# Altium PCB PCB_with_drawing_try2.PcbDoc (part 1 of 5) (continued)
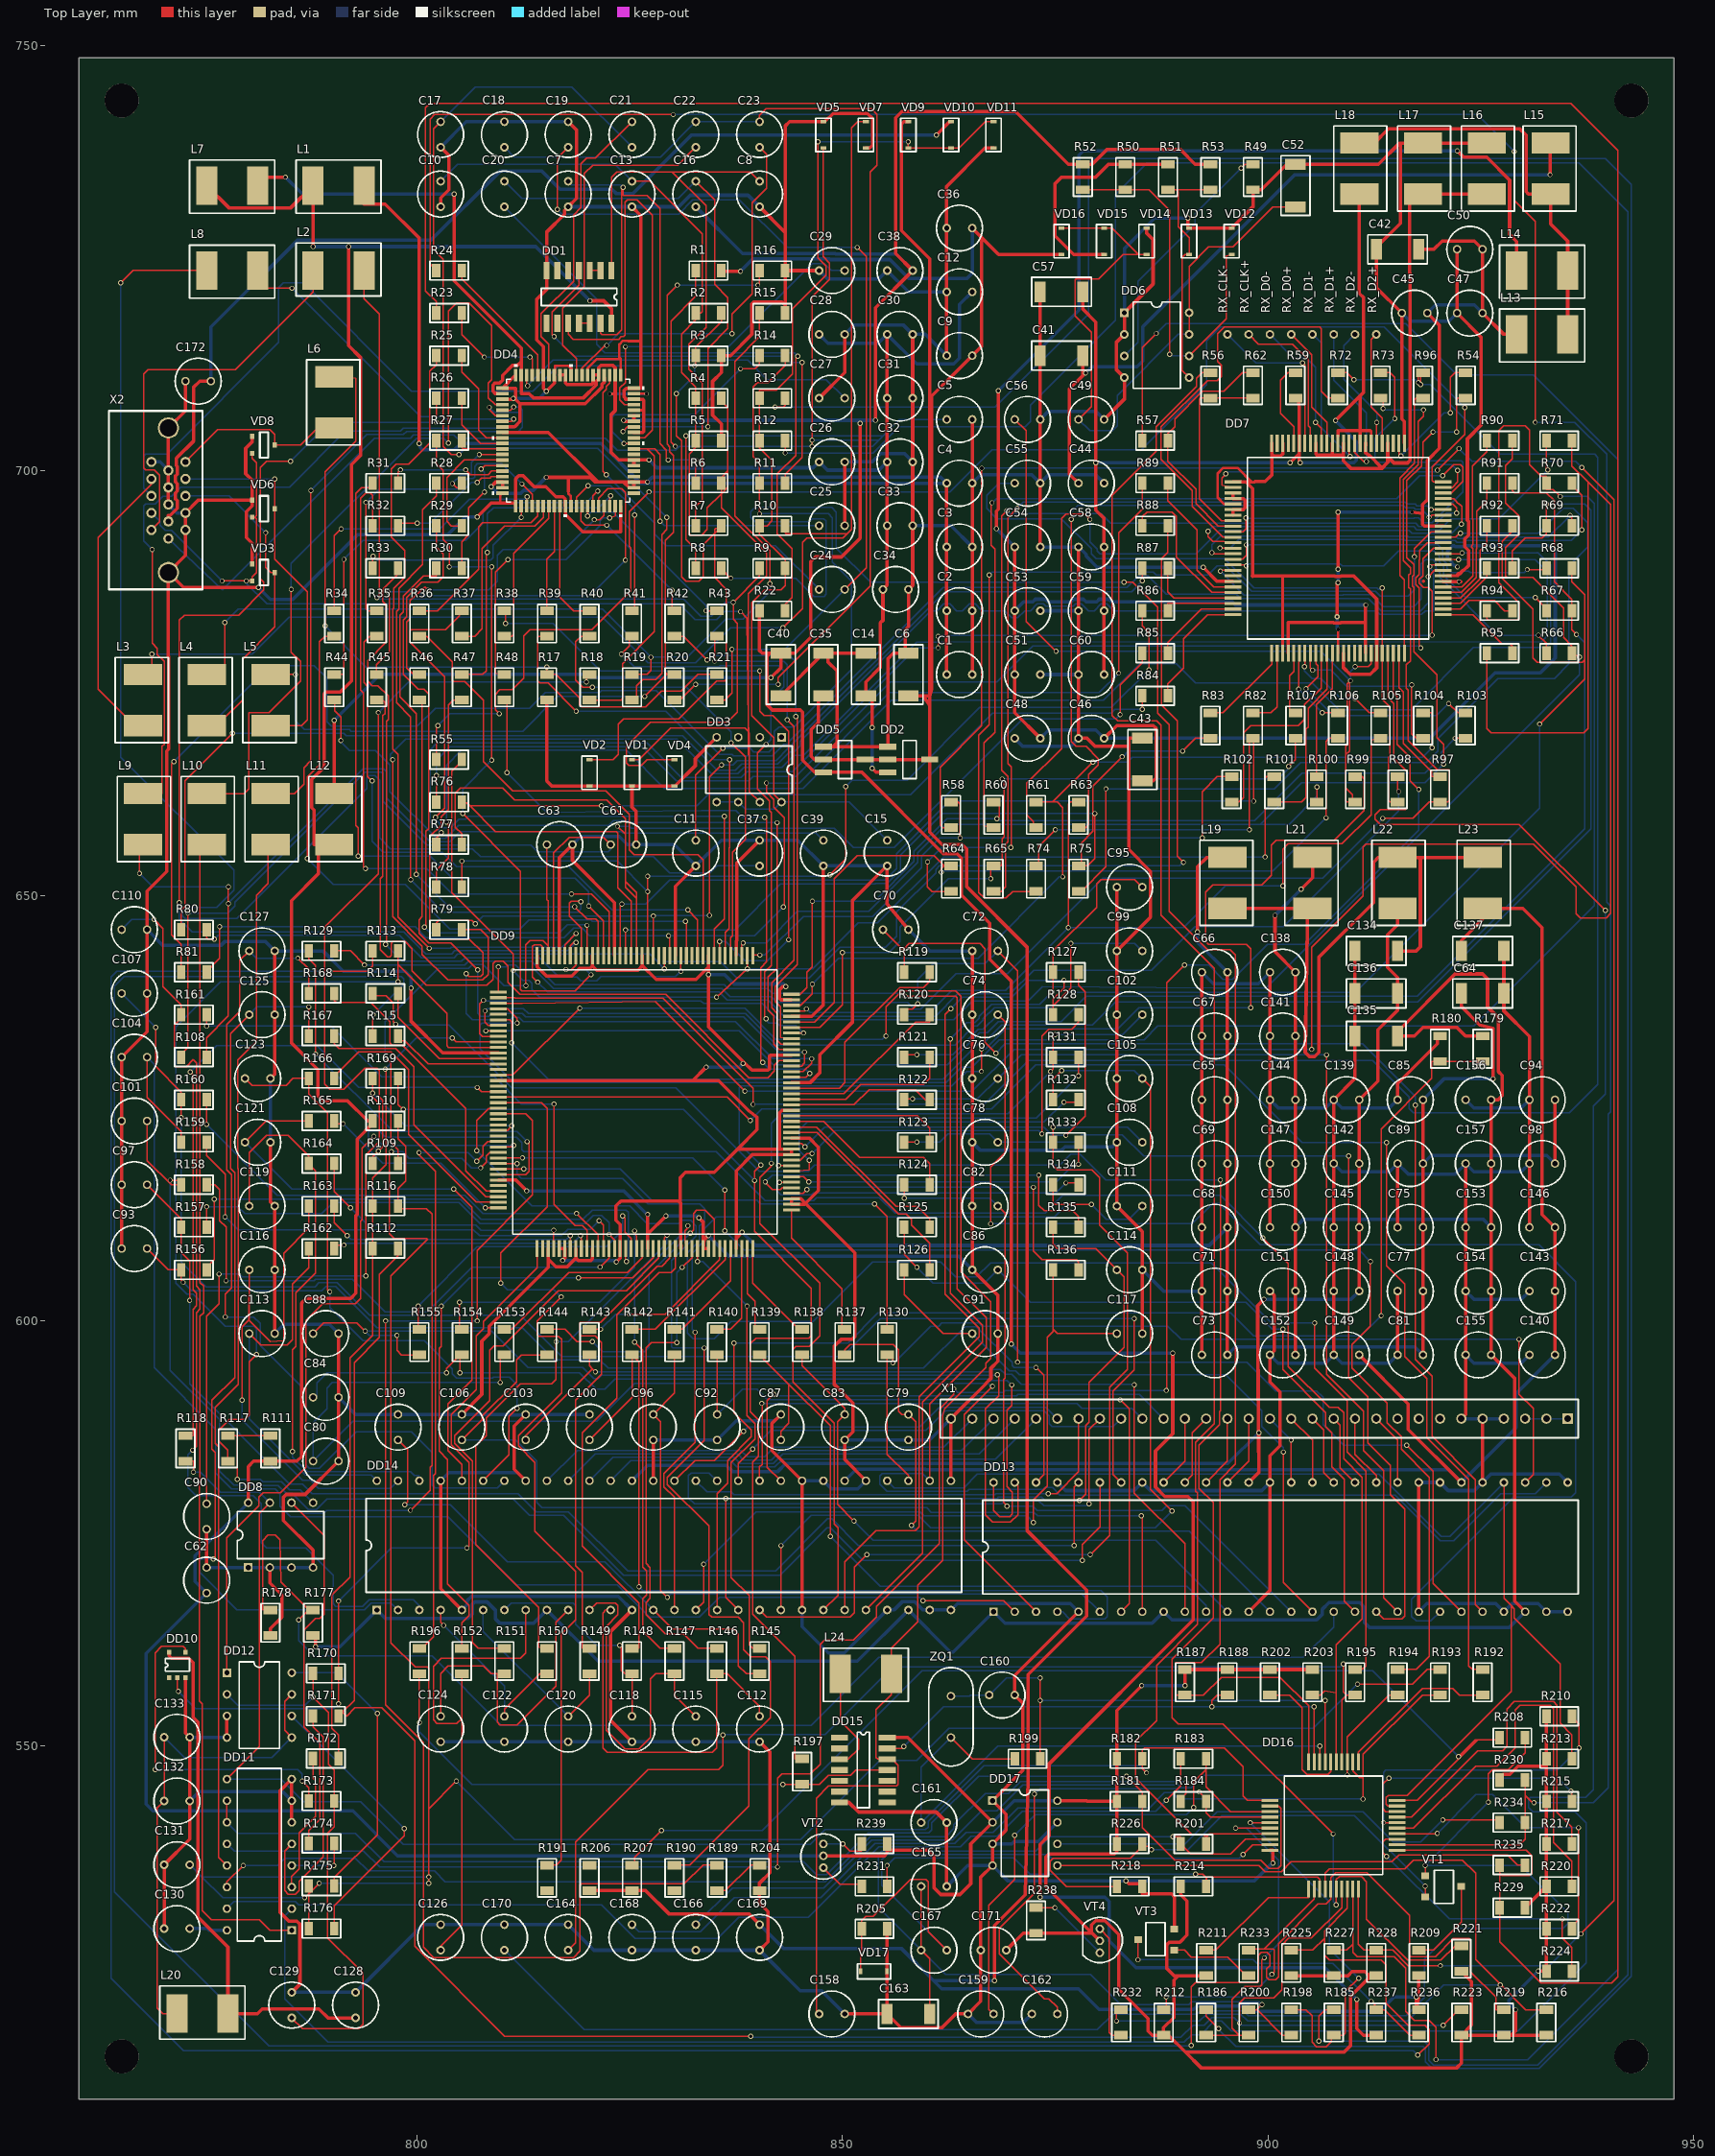
[diagram p0: Top Layer view]
## Components (designator, comment, footprint, x,y, rotation, side; value= is the part's Value field where it differs from the comment) (continued)
DD7 "SIL151" SIL151 895.9,698.65 r180 top
DD8 "24LC08" 24Cxx 780.13,571 r90 top
DD9 "SD1210" SD1210 809.55,638.65 r0 top
DD10 "F14-SINGLE" 74AHC1G14(SOT25) 770.85,558.04 r90 top
DD11 "74LV4053" 74LV4053(SOT38-4) 785.25,528.34 r180 top
DD12 "AV9173-01" AV9173-01(DIP8) 777.63,558.62 r0 top
DD13 "SN75LVDS83" SN75LVDS83_v2 867.75,565.8 r90 top
DD14 "SN75LVDS83" SN75LVDS83_v2 795.25,566 r90 top
DD15 "74LCX125" 74LCX125(page12) 849.65,551 r0 top
DD16 "SM0230" SM0230 910.65,547.4 r90 top
DD17 "24LC16" 24Cxx 867.63,543.58 r0 top
L1 "Inductor" inductor 790.75,733.5 r180 top
L2 "Inductor" inductor 790.75,723.5 r0 top
L3 "Inductor" inductor 767.75,673 r90 top
L4 "Inductor" inductor 775.25,673 r90 top
L5 "Inductor" inductor 782.75,673 r90 top
L6 "Inductor" inductor 790.25,708 r90 top
L7 "Inductor" inductor 778.25,733.5 r180 top
L8 "Inductor" inductor 778.25,723.5 r180 top
L9 "Inductor" inductor 767.75,659 r270 top
L10 "Inductor" inductor 775.25,659 r270 top
L11 "Inductor" inductor 782.75,659 r270 top
L12 "Inductor" inductor 790.25,659 r270 top
L13 "Inductor" inductor 932.25,716 r180 top
L14 "Inductor" inductor 932.25,723.5 r180 top
L15 "Inductor" inductor 933.25,735.5 r90 top
L16 "Inductor" inductor 925.75,735.5 r270 top
L17 "Inductor" inductor 918.25,735.5 r270 top
L18 "Inductor" inductor 910.75,735.5 r270 top
L19 "Inductor" inductor 895.25,651.5 r90 top
L20 "Inductor" inductor 774.75,518.54 r0 top
L21 "Inductor" inductor 905.25,651.5 r90 top
L22 "Inductor" inductor 915.25,651.5 r270 top
L23 "Inductor" inductor 925.25,651.5 r270 top
L24 "Inductor" inductor 852.75,558.5 r180 top
R1 "Resistor" R_1206 834.25,723.5 r0 top
R2 "Resistor" R_1206 834.25,718.5 r180 top
R3 "Resistor" R_1206 834.25,713.5 r180 top
R4 "Resistor" R_1206 834.25,708.5 r180 top
R5 "Resistor" R_1206 834.25,703.5 r180 top
R6 "Resistor" R_1206 834.25,698.5 r180 top
R7 "Resistor" R_1206 834.25,693.5 r180 top
R8 "Resistor" R_1206 834.25,688.5 r0 top
R9 "Resistor" R_1206 841.75,688.5 r0 top
R10 "Resistor" R_1206 841.75,693.5 r180 top
R11 "Resistor" R_1206 841.75,698.5 r180 top
R12 "Resistor" R_1206 841.75,703.5 r180 top
R13 "Resistor" R_1206 841.75,708.5 r180 top
R14 "Resistor" R_1206 841.75,713.5 r180 top
R15 "Resistor" R_1206 841.75,718.5 r180 top
R16 "Resistor" R_1206 841.75,723.5 r180 top
R17 "Resistor" R_1206 815.25,674.5 r90 top
R18 "Resistor" R_1206 820.25,674.5 r270 top
R19 "Resistor" R_1206 825.25,674.5 r270 top
R20 "Resistor" R_1206 830.25,674.5 r270 top
R21 "Resistor" R_1206 835.25,674.5 r270 top
R22 "Resistor" R_1206 841.75,683.5 r0 top
R23 "Resistor" R_1206 803.75,718.5 r0 top
R24 "Resistor" R_1206 803.75,723.5 r0 top
R25 "Resistor" R_1206 803.75,713.5 r180 top
R26 "Resistor" R_1206 803.75,708.5 r180 top
R27 "Resistor" R_1206 803.75,703.5 r180 top
R28 "Resistor" R_1206 803.75,698.5 r180 top
R29 "Resistor" R_1206 803.75,693.5 r180 top
R30 "Resistor" R_1206 803.75,688.5 r180 top
R31 "Resistor" R_1206 796.25,698.5 r180 top
R32 "Resistor" R_1206 796.25,693.5 r180 top
R33 "Resistor" R_1206 796.25,688.5 r0 top
R34 "Resistor" R_1206 790.25,682 r270 top
R35 "Resistor" R_1206 795.25,682 r270 top
R36 "Resistor" R_1206 800.25,682 r270 top
R37 "Resistor" R_1206 805.25,682 r90 top
R38 "Resistor" R_1206 810.25,682 r90 top
R39 "Resistor" R_1206 815.25,682 r270 top
R40 "Resistor" R_1206 820.25,682 r270 top
R41 "Resistor" R_1206 825.25,682 r270 top
R42 "Resistor" R_1206 830.25,682 r270 top
R43 "Resistor" R_1206 835.25,682 r270 top
R44 "Resistor" R_1206 790.25,674.5 r270 top
R45 "Resistor" R_1206 795.25,674.5 r270 top
R46 "Resistor" R_1206 800.25,674.5 r270 top
R47 "Resistor" R_1206 805.25,674.5 r270 top
R48 "Resistor" R_1206 810.25,674.5 r270 top
R49 "Resistor" R_1206 898.25,734.5 r90 top
R50 "Resistor" R_1206 883.25,734.5 r90 top
R51 "Resistor" R_1206 888.25,734.5 r90 top
R52 "Resistor" R_1206 878.25,734.5 r270 top
R53 "Resistor" R_1206 893.25,734.5 r270 top
R54 "Resistor" R_1206 923.25,710 r270 top
R55 "Resistor" R_1206 803.75,666 r0 top
R56 "Resistor" R_1206 893.25,710 r90 top
R57 "Resistor" R_1206 886.75,703.5 r180 top
R58 "Resistor" R_1206 862.75,659.5 r90 top
R59 "Resistor" R_1206 903.25,710 r90 top
R60 "Resistor" R_1206 867.75,659.5 r90 top
R61 "Resistor" R_1206 872.75,659.5 r90 top
R62 "Resistor" R_1206 898.25,710 r270 top
R63 "Resistor" R_1206 877.75,659.5 r90 top
R64 "Resistor" R_1206 862.75,652 r90 top
R65 "Resistor" R_1206 867.75,652 r90 top
R66 "Resistor" R_1206 934.25,678.5 r0 top
R67 "Resistor" R_1206 934.25,683.5 r0 top
R68 "Resistor" R_1206 934.25,688.5 r0 top
R69 "Resistor" R_1206 934.25,693.5 r180 top
R70 "Resistor" R_1206 934.25,698.5 r180 top
R71 "Resistor" R_1206 934.25,703.5 r0 top
R72 "Resistor" R_1206 908.25,710 r90 top
R73 "Resistor" R_1206 913.25,710 r270 top
R74 "Resistor" R_1206 872.75,652 r90 top
R75 "Resistor" R_1206 877.75,652 r90 top
R76 "Resistor" R_1206 803.75,661 r0 top
R77 "Resistor" R_1206 803.75,656 r0 top
R78 "Resistor" R_1206 803.75,651 r0 top
R79 "Resistor" R_1206 803.75,646 r180 top
R80 "Resistor" R_1206 773.75,646 r0 top
R81 "Resistor" R_1206 773.75,641 r0 top
R82 "Resistor" R_1206 898.25,670 r270 top
R83 "Resistor" R_1206 893.25,670 r270 top
R84 "Resistor" R_1206 886.75,673.5 r180 top
R85 "Resistor" R_1206 886.75,678.5 r180 top
R86 "Resistor" R_1206 886.75,683.5 r180 top
R87 "Resistor" R_1206 886.75,688.5 r180 top
R88 "Resistor" R_1206 886.75,693.5 r0 top
R89 "Resistor" R_1206 886.75,698.5 r180 top
R90 "Resistor" R_1206 927.25,703.5 r0 top
R91 "Resistor" R_1206 927.25,698.5 r0 top
R92 "Resistor" R_1206 927.25,693.5 r0 top
R93 "Resistor" R_1206 927.25,688.5 r0 top
R94 "Resistor" R_1206 927.25,683.5 r180 top
R95 "Resistor" R_1206 927.25,678.5 r180 top
R96 "Resistor" R_1206 918.25,710 r90 top
R97 "Resistor" R_1206 920.25,662.5 r270 top
R98 "Resistor" R_1206 915.25,662.5 r90 top
R99 "Resistor" R_1206 910.25,662.5 r90 top
R100 "Resistor" R_1206 905.75,662.5 r270 top
R101 "Resistor" R_1206 900.75,662.5 r90 top
R102 "Resistor" R_1206 895.75,662.5 r90 top
R103 "Resistor" R_1206 923.25,670 r270 top
R104 "Resistor" R_1206 918.25,670 r90 top
R105 "Resistor" R_1206 913.25,670 r270 top
R106 "Resistor" R_1206 908.25,670 r270 top
R107 "Resistor" R_1206 903.25,670 r270 top
R108 "Resistor" R_1206 773.75,631 r0 top
R109 "Resistor" R_1206 796.25,618.5 r180 top
R110 "Resistor" R_1206 796.25,623.5 r0 top
R111 "Resistor" R_1206 782.75,585 r90 top
R112 "Resistor" R_1206 796.25,608.5 r0 top
R113 "Resistor" R_1206 796.25,643.5 r180 top
R114 "Resistor" R_1206 796.25,638.5 r180 top
R115 "Resistor" R_1206 796.25,633.5 r180 top
R116 "Resistor" R_1206 796.25,613.5 r0 top
R117 "Resistor" R_1206 777.75,585 r90 top
R118 "Resistor" R_1206 772.75,585 r270 top
R119 "Resistor" R_1206 858.75,641 r0 top
R120 "Resistor" R_1206 858.75,636 r0 top
R121 "Resistor" R_1206 858.75,631 r0 top
R122 "Resistor" R_1206 858.75,626 r0 top
R123 "Resistor" R_1206 858.75,621 r0 top
R124 "Resistor" R_1206 858.75,616 r0 top
R125 "Resistor" R_1206 858.75,611 r0 top
R126 "Resistor" R_1206 858.75,606 r0 top
R127 "Resistor" R_1206 876.25,641 r0 top
R128 "Resistor" R_1206 876.25,636 r0 top
R129 "Resistor" R_1206 788.75,643.5 r180 top
R130 "Resistor" R_1206 855.25,597.5 r90 top
R131 "Resistor" R_1206 876.25,631 r0 top
R132 "Resistor" R_1206 876.25,626 r0 top
R133 "Resistor" R_1206 876.25,621 r0 top
R134 "Resistor" R_1206 876.25,616 r0 top
R135 "Resistor" R_1206 876.25,611 r0 top
R136 "Resistor" R_1206 876.25,606 r0 top
R137 "Resistor" R_1206 850.25,597.5 r90 top
R138 "Resistor" R_1206 845.25,597.5 r90 top
R139 "Resistor" R_1206 840.25,597.5 r90 top
R140 "Resistor" R_1206 835.25,597.5 r90 top
R141 "Resistor" R_1206 830.25,597.5 r90 top
R142 "Resistor" R_1206 825.25,597.5 r90 top
R143 "Resistor" R_1206 820.25,597.5 r90 top
R144 "Resistor" R_1206 815.25,597.5 r90 top
R145 "Resistor" R_1206 840.25,560 r90 top
R146 "Resistor" R_1206 835.25,560 r90 top
R147 "Resistor" R_1206 830.25,560 r90 top
R148 "Resistor" R_1206 825.25,560 r90 top
R149 "Resistor" R_1206 820.25,560 r90 top
R150 "Resistor" R_1206 815.25,560 r90 top
R151 "Resistor" R_1206 810.25,560 r90 top
R152 "Resistor" R_1206 805.25,560 r90 top
R153 "Resistor" R_1206 810.25,597.5 r90 top
R154 "Resistor" R_1206 805.25,597.5 r90 top
R155 "Resistor" R_1206 800.25,597.5 r90 top
R156 "Resistor" R_1206 773.75,606 r0 top
R157 "Resistor" R_1206 773.75,611 r0 top
R158 "Resistor" R_1206 773.75,616 r0 top
R159 "Resistor" R_1206 773.75,621 r0 top
R160 "Resistor" R_1206 773.75,626 r0 top
R161 "Resistor" R_1206 773.75,636 r0 top
R162 "Resistor" R_1206 788.75,608.5 r0 top
R163 "Resistor" R_1206 788.75,613.5 r0 top
R164 "Resistor" R_1206 788.75,618.5 r0 top
R165 "Resistor" R_1206 788.75,623.5 r0 top
R166 "Resistor" R_1206 788.75,628.5 r0 top
R167 "Resistor" R_1206 788.75,633.5 r0 top
R168 "Resistor" R_1206 788.75,638.5 r0 top
R169 "Resistor" R_1206 796.25,628.5 r180 top
R170 "Resistor" R_1206 789.25,558.54 r180 top
R171 "Resistor" R_1206 789.25,553.54 r180 top
R172 "Resistor" R_1206 789.25,548.54 r180 top
R173 "Resistor" R_1206 788.75,543.54 r0 top
R174 "Resistor" R_1206 788.75,538.54 r180 top
R175 "Resistor" R_1206 788.75,533.54 r180 top
R176 "Resistor" R_1206 788.75,528.54 r180 top
R177 "Resistor" R_1206 787.75,564.5 r270 top
R178 "Resistor" R_1206 782.75,564.5 r90 top
R179 "Resistor" R_1206 925.25,632 r90 top
R180 "Resistor" R_1206 920.25,632 r270 top
R181 "Resistor" R_1206 883.75,543.5 r180 top
R182 "Resistor" R_1206 883.75,548.5 r180 top
R183 "Resistor" R_1206 891.25,548.5 r0 top
R184 "Resistor" R_1206 891.25,543.5 r0 top
R185 "Resistor" R_1206 907.75,517.5 r270 top
R186 "Resistor" R_1206 892.75,517.5 r270 top
R187 "Resistor" R_1206 890.25,557.5 r90 top
R188 "Resistor" R_1206 895.25,557.5 r90 top
R189 "Resistor" R_1206 835.25,534.5 r90 top
R190 "Resistor" R_1206 830.25,534.5 r90 top
R191 "Resistor" R_1206 815.25,534.5 r90 top
R192 "Resistor" R_1206 925.25,557.5 r90 top
R193 "Resistor" R_1206 920.25,557.5 r90 top
R194 "Resistor" R_1206 915.25,557.5 r90 top
R195 "Resistor" R_1206 910.25,557.5 r90 top
R196 "Resistor" R_1206 800.25,560 r90 top
R197 "Resistor" R_1206 845.25,547 r90 top
R198 "Resistor" R_1206 902.75,517.5 r90 top
R199 "Resistor" R_1206 871.75,548.5 r0 top
R200 "Resistor" R_1206 897.75,517.5 r270 top
R201 "Resistor" R_1206 891.25,538.5 r0 top
R202 "Resistor" R_1206 900.25,557.5 r90 top
R203 "Resistor" R_1206 905.25,557.5 r90 top
R204 "Resistor" R_1206 840.25,534.5 r90 top
R205 "Resistor" R_1206 853.75,528.5 r180 top
R206 "Resistor" R_1206 820.25,534.5 r90 top
R207 "Resistor" R_1206 825.25,534.5 r90 top
R208 "Resistor" R_1206 928.75,551 r0 top
R209 "Resistor" R_1206 917.75,524.5 r90 top
R210 "Resistor" R_1206 934.25,553.5 r0 top
R211 "Resistor" R_1206 892.75,524.5 r90 top
R212 "Resistor" R_1206 887.75,517.5 r90 top
R213 "Resistor" R_1206 934.25,548.5 r0 top
R214 "Resistor" R_1206 891.25,533.5 r0 top
R215 "Resistor" R_1206 934.25,543.5 r0 top
R216 "Resistor" R_1206 932.75,517.5 r90 top
R217 "Resistor" R_1206 934.25,538.5 r0 top
R218 "Resistor" R_1206 883.75,533.5 r180 top
R219 "Resistor" R_1206 927.75,517.5 r90 top
R220 "Resistor" R_1206 934.25,533.5 r0 top
R221 "Resistor" R_1206 922.75,525 r90 top
R222 "Resistor" R_1206 934.25,528.5 r0 top
R223 "Resistor" R_1206 922.75,517.5 r90 top
R224 "Resistor" R_1206 934.25,523.5 r0 top
R225 "Resistor" R_1206 902.75,524.5 r90 top
R226 "Resistor" R_1206 883.75,538.5 r180 top
R227 "Resistor" R_1206 907.75,524.5 r90 top
R228 "Resistor" R_1206 912.75,524.5 r90 top
R229 "Resistor" R_1206 928.75,531 r180 top
R230 "Resistor" R_1206 928.75,546 r0 top
R231 "Resistor" R_1206 853.75,533.5 r180 top
R232 "Resistor" R_1206 882.75,517.5 r270 top
R233 "Resistor" R_1206 897.75,524.5 r270 top
R234 "Resistor" R_1206 928.75,541 r180 top
R235 "Resistor" R_1206 928.75,536 r0 top
R236 "Resistor" R_1206 917.75,517.5 r90 top
R237 "Resistor" R_1206 912.75,517.5 r270 top
R238 "Resistor" R_1206 872.75,529.5 r270 top
R239 "Resistor" R_1206 853.75,538.5 r0 top
RX_CLK+ "InputArrow" ARROW 897.75,716 r90 top
RX_CLK- "InputArrow" ARROW 895.25,716 r90 top
RX_D0+ "InputArrow" ARROW 902.75,716 r90 top
RX_D0- "InputArrow" ARROW 900.25,716 r90 top
RX_D1+ "InputArrow" ARROW 907.75,716 r0 top
RX_D1- "InputArrow" ARROW 905.25,716 r90 top
RX_D2+ "InputArrow" ARROW 912.75,716 r90 top
RX_D2- "InputArrow" ARROW 910.25,716 r90 top
VD1 "DiodeSchottky" zener_diode 825.25,664.5 r90 top
VD2 "DiodeSchottky" zener_diode 820.25,664.5 r90 top
VD3 "BAV99" BAV99 782,688 r0 top
VD4 "DiodeSchottky" zener_diode 830.25,664.5 r90 top
VD5 "DiodeSchottky" zener_diode 847.75,739.4 r270 top
VD6 "BAV99" BAV99 782,695.5 r0 top
VD7 "DiodeSchottky" zener_diode 852.75,739.5 r90 top
VD8 "BAV99" BAV99 782,703 r0 top
VD9 "Diode" zener_diode 857.75,739.4 r270 top
VD10 "Diode" zener_diode 862.75,739.4 r270 top
VD11 "DiodeSchottky" zener_diode 867.75,739.5 r90 top
VD12 "DiodeSchottky" zener_diode 895.75,726.9 r270 top
VD13 "DiodeSchottky" zener_diode 890.75,726.9 r270 top
VD14 "DiodeSchottky" zener_diode 885.75,726.9 r270 top
VD15 "Diode" zener_diode 880.75,727 r90 top
VD16 "Diode" zener_diode 875.75,727 r90 top
VD17 "Diode" zener_diode 853.65,523.5 r180 top
VT1 "MMBT3904L" MMBT3904L 919.75,534.75 r0 top
VT2 "2N3906" 2N3906 847.75,537.1 r180 top
VT3 "MMBT3904L" MMBT3904L 887.75,526 r180 top
VT4 "2N3906" 2N3906 880.25,527.1 r0 top
X1 "FI-SE30P-HF" FI-SE30P-HF_v2 935.25,588.5 r270 top
X2 "DB-15" VGA 770.75,696 r270 top
ZBOAS255985433 "Comment" "BOASVIEWdrill:Таблица отверстий:0:0:0:0" 65,2170 r0 top
ZBOAS258887214 "Comment" "BOASVIEWlayer:Top Overlay:1:1:33:1" 65.75,2215.25 r0 top (schematic designator fewf)
ZBOAS258887214 "Comment" "BOASVIEWlayer:Top Layer:1:1:1:1" 65.75,2215.25 r0 top (schematic designator fewf)
ZBOAS1233296663 "Comment" "BOASVIEWside:Вид платы слева:1:0:0:0" 313.25,2455.25 r0 top
ZBOAS1479387214 "Comment" "BOASVIEWlayer:Bottom Layer:1:-2:32:1" 375.75,2215.25 r180 top (schematic designator fewf)
ZQ1 "Crystal" crystal 862.75,553.44 r90 top

## Footprints (in the part's own frame and the unit in brackets; to place one, negate y for a bottom-side part, rotate by r counter-clockwise, add the part's x,y. Pads: shape width x height; smd on the part's side, far side on the other; paste and mask are expansions set on the pad)
2N3906 [mm]
  round 1 hole 0.6: 1(0,1.4) 2(0,0) 3(0,-1.4)
  silkscreen extent -2,-2.57 2.66,2.75
24Cxx [mm]
  rect 1x1 hole 0.6: 1(0,0)
  round 1 hole 0.6: 2(0,-2.54) 3(0,-5.08) 4(0,-7.62) 5(7.62,-7.62) 6(7.62,-5.08) 7(7.62,-2.54) 8(7.62,0)
  silkscreen extent 1.03,-8.89 6.58,1.27
74AHC1G14(SOT25) [mm]
  rect 0.6x0.5 smd: 1(0,0) 2(0,-0.95) 3(0,-1.9) 4(3,-1.9) 5(3,0)
  silkscreen extent 0.75,-2.37 2.25,0.47
74LCX125(page12) [mm]
  rect 2x0.7 smd: 1(0,0) 2(0,-1.27) 3(0,-2.54) 4(0,-3.81) 5(0,-5.08) 6(0,-6.35) 7(0,-7.62) 8(5.6,-7.62) 9(5.6,-6.35) 10(5.6,-5.08) 11(5.6,-3.81) 12(5.6,-2.54) 13(5.6,-1.27) 14(5.6,0)
  silkscreen extent 2.08,-8.26 3.52,0.64
74LV4053(SOT38-4) [mm]
  rect 1x1 hole 0.6: 1(0,0)
  round 1 hole 0.6: 2(0,-2.54) 3(0,-5.08) 4(0,-7.62) 5(0,-10.16) 6(0,-12.7) 7(0,-15.24) 8(0,-17.78) 9(7.62,-17.78) 10(7.62,-15.24) 11(7.62,-12.7) 12(7.62,-10.16) 13(7.62,-7.62) 14(7.62,-5.08) 15(7.62,-2.54) 16(7.62,0)
  silkscreen extent 1.22,-19.05 6.41,1.27
74LVX14(SO-14) [mm]
  rect 2x0.7 smd: 1(-0.085,0) 2(-0.085,-1.27) 3(-0.085,-2.54) 4(-0.085,-3.81) 5(-0.085,-5.08) 6(-0.085,-6.35) 7(-0.085,-7.62) 8(6.115,-7.62) 9(6.115,-6.35) 10(6.115,-5.08) 11(6.115,-3.81) 12(6.115,-2.54) 13(6.115,-1.27) 14(6.115,0)
  silkscreen extent 2,-8.26 4.03,0.64
AIC1732(SOT-89) [mm]
  rect 2x0.7 smd: 1(-2.675,1.5) 2(-2.675,0) 3(-2.675,-1.5) 4(2.25,0)
  silkscreen extent -0.91,-2.25 0.66,2.25
ARROW [mm]
  round 1 hole 0.6: 1(0,0)
AV9173-01(DIP8) [mm]
  rect 1x1 hole 0.6: 1(0,0)
  round 1 hole 0.6: 2(0,-2.54) 3(0,-5.08) 4(0,-7.62) 5(7.62,-7.62) 6(7.62,-5.08) 7(7.62,-2.54) 8(7.62,0)
  silkscreen extent 1.43,-8.89 6.18,1.27
BAV99 [mm]
  rect 0.5x0.6 smd: 1(-1.4,1) 2(-1.4,-1) 3(1.25,0)
  silkscreen extent -0.5,-1.5 0.5,1.5
"BOASVIEWdrill:Таблица отверстий:0:0:0:0" [mm]
"BOASVIEWlayer:Bottom Layer:1:-2:32:1" [mm]
"BOASVIEWlayer:Top Layer:1:1:1:1" [mm]
"BOASVIEWlayer:Top Overlay:1:1:33:1" [mm]
"BOASVIEWside:Вид платы слева:1:0:0:0" [mm]
cap_electro_13 [mm]
  round 1 hole 0.6: 1(-1.5,0) 2(1.5,0)
  silkscreen extent -2.7,-2.7 2.7,2.7
Cap_tantal_D [mm]
  rect 1.3x2.4 smd: 1(2.5,0) 2(-2.5,0)
  silkscreen extent -3.5,-1.7 3.5,1.7
crystal [mm]
  round 1 hole 0.6: 1(-2.44,0) 2(2.44,0)
  silkscreen extent -5.8,-2.6 5.8,2.6
FI-SE30P-HF_v2 [mm]
  rect 1.2x1.2 hole 0.8: 1(0,0)
  round 1.2 hole 0.8: 2(0,-2.5) 3(0,-5) 4(0,-7.5) 5(0,-10) 6(0,-12.5) 7(0,-15) 8(0,-17.5) 9(0,-20) 10(0,-22.5) 11(0,-25) 12(0,-27.5) 13(0,-30) 14(0,-32.5) 15(0,-35) 16(0,-37.5) 17(0,-40) 18(0,-42.5) 19(0,-45) 20(0,-47.5) 21(0,-50) 22(0,-52.5) 23(0,-55) 24(0,-57.5) 25(0,-60) 26(0,-62.5) 27(0,-65) 28(0,-67.5) 29(0,-70) 30(0,-72.5)
  silkscreen extent -2.25,-73.75 2.25,1.25
inductor [mm]
  rect 2.5x4.5 smd: 1(-3,0) 2(3,0)
  silkscreen extent -5,-3 5,3.25
MMBT3904L [mm]
  rect 0.9x0.8 smd: 1(-1.25,0) 2(-1.25,-2.5) 3(3,-1.25)
  silkscreen extent -0.19,-3.25 2.08,0.65
R_1206 [mm]
  rect 1x1.6 smd: 1(-1.5,0) 2(1.5,0)
  silkscreen extent -2.25,-1.1 2.25,1.1
SD1210 [mm]
  rect 2x0.35 smd: 1(0,0) 2(0,-0.65) 3(0,-1.3) 4(0,-1.95) 5(0,-2.6) 6(0,-3.25) 7(0,-3.9) 8(0,-4.55) 9(0,-5.2) 10(0,-5.85) 11(0,-6.5) 12(0,-7.15) 13(0,-7.8) 14(0,-8.45) 15(0,-9.1) 16(0,-9.75) 17(0,-10.4) 18(0,-11.05) 19(0,-11.7) 20(0,-12.35) 21(0,-13) 22(0,-13.65) 23(0,-14.3) 24(0,-14.95) 25(0,-15.6) 26(0,-16.25) 27(0,-16.9) 28(0,-17.55) 29(0,-18.2) 30(0,-18.85) 31(0,-19.5) 32(0,-20.15) 33(0,-20.8) 34(0,-21.45) 35(0,-22.1) 36(0,-22.75) 37(0,-23.4) 38(0,-24.05) 39(0,-24.7) 40(0,-25.35) 81(34.45,-25.6) 82(34.45,-24.95) 83(34.45,-24.3) 84(34.45,-23.65) 85(34.45,-23) 86(34.45,-22.35) 87(34.45,-21.7) 88(34.45,-21.05) 89(34.45,-20.4) 90(34.45,-19.75) 91(34.45,-19.1) 92(34.45,-18.45) 93(34.45,-17.8) 94(34.45,-17.15) 95(34.45,-16.5) 96(34.45,-15.85) 97(34.45,-15.2) 98(34.45,-14.55) 99(34.45,-13.9) 100(34.45,-13.25) 101(34.45,-12.6) 102(34.45,-11.95) 103(34.45,-11.3) 104(34.45,-10.65) 105(34.45,-10) 106(34.45,-9.35) 107(34.45,-8.7) 108(34.45,-8.05) 109(34.45,-7.4) 110(34.45,-6.75) 111(34.45,-6.1) 112(34.45,-5.45) 113(34.45,-4.8) 114(34.45,-4.15) 115(34.45,-3.5) 116(34.45,-2.85) 117(34.45,-2.2) 118(34.45,-1.55) 119(34.45,-0.9) 120(34.45,-0.25)
  rect 0.35x2 smd: 41(4.55,-30.15) 42(5.2,-30.15) 43(5.85,-30.15) 44(6.5,-30.15) 45(7.15,-30.15) 46(7.8,-30.15) 47(8.45,-30.15) 48(9.1,-30.15) 49(9.75,-30.15) 50(10.4,-30.15) 51(11.05,-30.15) 52(11.7,-30.15) 53(12.35,-30.15) 54(13,-30.15) 55(13.65,-30.15) 56(14.3,-30.15) 57(14.95,-30.15) 58(15.6,-30.15) 59(16.25,-30.15) 60(16.9,-30.15) 61(17.55,-30.15) 62(18.2,-30.15) 63(18.85,-30.15) 64(19.5,-30.15) 65(20.15,-30.15) 66(20.8,-30.15) 67(21.45,-30.15) 68(22.1,-30.15) 69(22.75,-30.15) 70(23.4,-30.15) 71(24.05,-30.15) 72(24.7,-30.15) 73(25.35,-30.15) 74(26,-30.15) 75(26.65,-30.15) 76(27.3,-30.15) 77(27.95,-30.15) 78(28.6,-30.15) 79(29.25,-30.15) 80(29.9,-30.15) 121(29.9,4.3) 122(29.25,4.3) 123(28.6,4.3) 124(27.95,4.3) 125(27.3,4.3) 126(26.65,4.3) 127(26,4.3) 128(25.35,4.3) 129(24.7,4.3) 130(24.05,4.3) 131(23.4,4.3) 132(22.75,4.3) 133(22.1,4.3) 134(21.45,4.3) 135(20.8,4.3) 136(20.15,4.3) 137(19.5,4.3) 138(18.85,4.3) 139(18.2,4.3) 140(17.55,4.3) 141(16.9,4.3) 142(16.25,4.3) 143(15.6,4.3) 144(14.95,4.3) 145(14.3,4.3) 146(13.65,4.3) 147(13,4.3) 148(12.35,4.3) 149(11.7,4.3) 150(11.05,4.3) 151(10.4,4.3) 152(9.75,4.3) 153(9.1,4.3) 154(8.45,4.3) 155(7.8,4.3) 156(7.15,4.3) 157(6.5,4.3) 158(5.85,4.3) 159(5.2,4.3) 160(4.55,4.3)
  silkscreen extent 1.68,-28.47 32.76,2.62
SIL151 [mm]
  rect 2x0.35 smd: 1(0,0) 2(0,0.65) 3(0,1.3) 4(0,1.95) 5(0,2.6) 6(0,3.25) 7(0,3.9) 8(0,4.55) 9(0,5.2) 10(0,5.85) 11(0,6.5) 12(0,7.15) 13(0,7.8) 14(0,8.45) 15(0,9.1) 16(0,9.75) 17(0,10.4) 18(0,11.05) 19(0,11.7) 20(0,12.35) 21(0,13) 22(0,13.65) 23(0,14.3) 24(0,14.95) 25(0,15.6) 51(-24.7,15.6) 52(-24.7,14.95) 53(-24.7,14.3) 54(-24.7,13.65) 55(-24.7,13) 56(-24.7,12.35) 57(-24.7,11.7) 58(-24.7,11.05) 59(-24.7,10.4) 60(-24.7,9.75) 61(-24.7,9.1) 62(-24.7,8.45) 63(-24.7,7.8) 64(-24.7,7.15) 65(-24.7,6.5) 66(-24.7,5.85) 67(-24.7,5.2) 68(-24.7,4.55) 69(-24.7,3.9) 70(-24.7,3.25) 71(-24.7,2.6) 72(-24.7,1.95) 73(-24.7,1.3) 74(-24.7,0.65) 75(-24.7,0)
  rect 0.35x2 smd: 26(-4.55,20.15) 27(-5.2,20.15) 28(-5.85,20.15) 29(-6.5,20.15) 30(-7.15,20.15) 31(-7.8,20.15) 32(-8.45,20.15) 33(-9.1,20.15) 34(-9.75,20.15) 35(-10.4,20.15) 36(-11.05,20.15) 37(-11.7,20.15) 38(-12.35,20.15) 39(-13,20.15) 40(-13.65,20.15) 41(-14.3,20.15) 42(-14.95,20.15) 43(-15.6,20.15) 44(-16.25,20.15) 45(-16.9,20.15) 46(-17.55,20.15) 47(-18.2,20.15) 48(-18.85,20.15) 49(-19.5,20.15) 50(-20.15,20.15) 76(-20.15,-4.55) 77(-19.5,-4.55) 78(-18.85,-4.55) 79(-18.2,-4.55) 80(-17.55,-4.55) 81(-16.9,-4.55) 82(-16.25,-4.55) 83(-15.6,-4.55) 84(-14.95,-4.55) 85(-14.3,-4.55) 86(-13.65,-4.55) 87(-13,-4.55) 88(-12.35,-4.55) 89(-11.7,-4.55) 90(-11.05,-4.55) 91(-10.4,-4.55) 92(-9.75,-4.55) 93(-9.1,-4.55) 94(-8.45,-4.55) 95(-7.8,-4.55) 96(-7.15,-4.55) 97(-6.5,-4.55) 98(-5.85,-4.55) 99(-5.2,-4.55) 100(-4.55,-4.55)
  silkscreen extent -23.02,-2.86 -1.69,18.47
SM0230 [mm]
  rect 2x0.35 smd: 1(0.75,0) 2(0.75,0.65) 3(0.75,1.3) 4(0.75,1.95) 5(0.75,2.6) 6(0.75,3.25) 7(0.75,3.9) 8(0.75,4.55) 9(0.75,5.2) 10(0.75,5.85) 21(-14.2,5.85) 22(-14.2,5.2) 23(-14.2,4.55) 24(-14.2,3.9) 25(-14.2,3.25) 26(-14.2,2.6) 27(-14.2,1.95) 28(-14.2,1.3) 29(-14.2,0.65) 30(-14.2,0)
  rect 0.35x2 smd: 11(-3.8,10.4) 12(-4.45,10.4) 13(-5.1,10.4) 14(-5.75,10.4) 15(-6.4,10.4) 16(-7.05,10.4) 17(-7.7,10.4) 18(-8.35,10.4) 19(-9,10.4) 20(-9.65,10.4) 31(-9.65,-4.55) 32(-9,-4.55) 33(-8.35,-4.55) 34(-7.7,-4.55) 35(-7.05,-4.55) 36(-6.4,-4.55) 37(-5.75,-4.55) 38(-5.1,-4.55) 39(-4.45,-4.55) 40(-3.8,-4.55)
  silkscreen extent -12.51,-2.86 -0.93,8.72
SN75LVDS83_v2 [mm]
  rect 1x1 hole 0.6: 1(0,0)
  round 1 hole 0.6: 2(0,-2.5) 3(0,-5) 4(0,-7.5) 5(0,-10) 6(0,-12.5) 7(0,-15) 8(0,-17.5) 9(0,-20) 10(0,-22.5) 11(0,-25) 12(0,-27.5) 13(0,-30) 14(0,-32.5) 15(0,-35) 16(0,-37.5) 17(0,-40) 18(0,-42.5) 19(0,-45) 20(0,-47.5) 21(0,-50) 22(0,-52.5) 23(0,-55) 24(0,-57.5) 25(0,-60) 26(0,-62.5) 27(0,-65) 28(0,-67.5) 29(15.2,-67.5) 30(15.2,-65) 31(15.2,-62.5) 32(15.2,-60) 33(15.2,-57.5) 34(15.2,-55) 35(15.2,-52.5) 36(15.2,-50) 37(15.2,-47.5) 38(15.2,-45) 39(15.2,-42.5) 40(15.2,-40) 41(15.2,-37.5) 42(15.2,-35) 43(15.2,-32.5) 44(15.2,-30) 45(15.2,-27.5) 46(15.2,-25) 47(15.2,-22.5) 48(15.2,-20) 49(15.2,-17.5) 50(15.2,-15) 51(15.2,-12.5) 52(15.2,-10) 53(15.2,-7.5) 54(15.2,-5) 55(15.2,-2.5) 56(15.2,0)
  silkscreen extent 2.08,-68.75 13.11,1.25
ST_80_2_ADI [mil]
  rect 57.56x16.97 smd paste+0 mask+0: 1(-304,243.11) 2(-304,217.52) 3(-304,191.93) 4(-304,166.34) 5(-304,140.75) 6(-304,115.16) 7(-304,89.57) 8(-304,63.98) 9(-304,38.39) 10(-304,12.8) 11(-304,-12.8) 12(-304,-38.39) 13(-304,-63.98) 14(-304,-89.57) 15(-304,-115.16) 16(-304,-140.75) 17(-304,-166.34) 18(-304,-191.93) 19(-304,-217.52) 20(-304,-243.11) 41(304,-243.11) 42(304,-217.52) 43(304,-191.93) 44(304,-166.34) 45(304,-140.75) 46(304,-115.16) 47(304,-89.57) 48(304,-63.98) 49(304,-38.39) 50(304,-12.8) 51(304,12.8) 52(304,38.39) 53(304,63.98) 54(304,89.57) 55(304,115.16) 56(304,140.75) 57(304,166.34) 58(304,191.93) 59(304,217.52) 60(304,243.11)
  rect 16.97x57.56 smd paste+0 mask+0: 21(-243.11,-304) 22(-217.52,-304) 23(-191.93,-304) 24(-166.34,-304) 25(-140.75,-304) 26(-115.16,-304) 27(-89.57,-304) 28(-63.98,-304) 29(-38.39,-304) 30(-12.8,-304) 31(12.79,-304) 32(38.38,-304) 33(63.98,-304) 34(89.57,-304) 35(115.16,-304) 36(140.75,-304) 37(166.34,-304) 38(191.93,-304) 39(217.52,-304) 40(243.11,-304) 61(243.11,304) 62(217.52,304) 63(191.93,304) 64(166.34,304) 65(140.75,304) 66(115.16,304) 67(89.57,304) 68(63.98,304) 69(38.38,304) 70(12.79,304) 71(-12.8,304) 72(-38.39,304) 73(-63.98,304) 74(-89.57,304) 75(-115.16,304) 76(-140.75,304) 77(-166.34,304) 78(-191.93,304) 79(-217.52,304) 80(-243.11,304)
  silkscreen extent -353,-353 353,353
VGA [mm]
  round 1.2 hole 0.7: 1(-5,2) 2(-3,2) 3(-1,2) 4(1,2) 5(3,2) 6(-4,0) 7(-2,0) 8(0,0) 9(2,0) 10(4,0) 11(-5,-2) 12(-3,-2) 13(-1,-2) 14(1,-2) 15(3,-2)
  round 2.5 hole 2: 16(8,0) 17(-9,0)
  silkscreen extent -11,-7 10,4
zener_diode [mm]
  rect 0.4x0.7 smd: 1(-1.6,0) 2(1.5,0)
  silkscreen extent -2,-0.9 1.9,0.9

## Part data
DD10: library part 74AHC1G14-TA
X2: library part VGA_connector
DD4: Built_By=EMA_UL_Team, Copyright="Copyright (C) 2018 Accelerated Designs. All rights reserved", Manufacturer_Part_Number=AD9883ABSTZ-140, RefDes=RefDes, SourceLibrary=Analog_2012-01-01_6, Type=DEV, Vendor="Analog Devices Inc"

## Free pads (board coordinates)
  round 4 hole 4 unplated: 1(765.25,513.5) 1(765.25,743.5) 1(942.75,513.5) ""(942.75,743.5)

## Via types
v1: diameter 0.6, hole 0.4, Top Layer to Bottom Layer, 677 vias
v2: diameter 0.5, hole 0.4, Top Layer to Bottom Layer, 3 vias
v3: diameter 0.4, hole 0.4, Top Layer to Bottom Layer, 2 vias
v4: diameter 0.6, hole 0.3, Top Layer to Bottom Layer, 1 vias

## Nets (pads, with @x,y where several pads share a name; then routed paths per layer and width w, separated by ;. In a path a pad name is that pad's centre, name@x,y a point inside that pad or via, vN(x,y) a via of type N, cw(c..) or ccw(c..) an arc to the next point about the centre after c; other vN are vias at no path point)
3_3Va: L13.1 L14.1 L15.1 L18.1 | length 47.6
  Top Layer w0.4: L18.1@910.75,738.5 912.524,738.5 914.185,740.161 929.618,740.161 930.355,739.424 930.355,732.779 930.634,732.5 L15.1@933.25,732.5 933.25,728.978 935.25,726.978 L14.1@935.25,723.5 L13.1@935.25,716
3V3: C62.2 C171.1 DD1.14 DD8.8 DD15.14 DD17.2 DD17.8 L1.2 L7.2 L12.2 R110.1 R111.1 R181.2 R182.2 R187.2 R188.2 R202.2 R203.2 R210.1 R211.1 R212.1 R213.1 R214.1 R215.1 R216.1 R217.1 R219.1 R220.1 R221.1 R222.1 R223.1 R224.1 R225.1 R226.2 R227.1 R228.1 R229.1 R230.1 R238.2 R239.2 VT2.2 VT4.2 | length 690
  Top Layer w0.4: L7.2@775.25,733.5 777.911,730.839 785.089,730.839 L1.2@787.75,733.5 v1(787.75,726.318) ; DD8.8@780.13,578.62 780.13,582.856 780.774,583.5 R111.1@782.75,583.5 785.854,583.5 786.392,584.038 786.392,602.091 786.954,602.653 792.183,602.653 792.788,603.258 792.788,612.39 792.933,612.534 792.933,621.377 794.75,623.194 R110.1@794.75,623.5 794.184,623.5 791.798,625.886 788.902,625.886 788.343,626.445 788.343,629.544 785.219,632.668 785.219,649.407 788.394,652.582 L12.2@788.394,656 ; L12.2@790.25,656 L12.2@788.394,656 ; v1(791.925,726.318) 791.925,714.685 793.322,713.288 793.322,701.756 792.255,700.689 792.255,675.239 790.934,673.918 789.228,673.918 789.05,673.74 789.05,665.106 787.6,663.656 787.6,660.354 787.886,660.068 787.886,656 L12.2@788.394,656 ; v1(820.322,719.943) 821.922,719.943 822.83,719.035 DD1.14@822.83,717.3 ; VT2.2@847.75,537.1 854.942,537.1 855.25,537.408 R239.2@855.25,537.748 ; R239.2@855.25,538.5 R239.2@855.25,537.748 ; DD15.14@855.25,551 857.67,551 DD17.2@867.63,541.04 865.077,538.487 865.077,533.818 863.8,532.541 861.546,532.541 860.759,533.329 860.759,537.088 860.098,537.748 R239.2@855.25,537.748 ; C171.1@869.25,526 871.25,528 R238.2@872.75,528 879.35,528 ; DD17.8@875.25,543.58 878.691,543.58 878.771,543.5 R181.2@882.25,543.5 ; VT4.2@880.25,527.1 879.35,528 ; v1(885.168,557.103) 882.25,554.185 R182.2@882.25,548.5 R181.2@882.25,543.5 ; R214.1@889.75,533.5 889.75,532.541 890.502,531.789 890.502,527.766 889.664,526.928 888.394,526.928 888.14,526.674 888.14,523.838 888.978,523 889.486,523 ; v1(890.25,557.103) R187.2@890.25,559 R188.2@895.25,559 R202.2@900.25,559 R203.2@905.25,559 ; R211.1@892.75,523 889.486,523 ; R225.1@902.75,523 R227.1@907.75,523 909.434,523 909.913,523.479 911.421,523.479 911.9,523 R228.1@912.152,523 ; R228.1@912.75,523 R228.1@912.152,523 ; R221.1@922.75,523.5 923.954,522.296 923.954,517.204 R223.1@922.75,516 R223.1@922.76,516 ; R230.1@927.25,546 927.25,546.252 927.675,546.677 928.468,546.677 929.407,547.616 932.75,547.616 ; v1(929.11,519.003) 929.11,516.508 928.602,516 ; R229.1@930.25,531 930.25,531.022 932.728,533.5 R220.1@932.75,533.5 ; v1(931.802,523.55) R224.1@932.75,523.55 ; R216.1@932.75,516 928.602,516 ; R224.1@932.75,523.5 R224.1@932.75,523.55 ; R210.1@932.75,553.5 R213.1@932.75,548.5 932.75,547.616 ; 879.275,528.075 873.892,533.458 873.892,536.964 874.246,537.318 881.972,537.318 882.25,537.596 R226.2@882.25,538.5 R181.2@882.25,543.5 ; 879.275,528.075 879.35,528 ; 879.275,528.075 879.275,528.96 879.783,529.468 880.825,529.468 882.476,527.818 882.476,521.416 885.93,517.962 885.93,516.508 886.438,516 R212.1@887.733,516 ; R212.1@887.733,516 887.733,516.87 888.953,518.089 888.953,522.467 889.486,523 ; R212.1@887.733,516 R212.1@887.75,516 888.318,516 890.318,513.999 ; 890.318,513.999 892.147,512.171 922.227,512.171 922.76,512.704 R223.1@922.76,516 ; 890.318,513.999 908.968,513.999 909.704,514.736 909.704,520.553 R228.1@912.152,523 ; R223.1@922.76,516 R219.1@927.75,516 928.602,516 ; R224.1@932.75,523.55 R222.1@932.75,528.5 R220.1@932.75,533.5 ; R220.1@932.75,533.5 R217.1@932.75,538.5 R215.1@932.75,543.5 932.75,547.616
  Bottom Layer w0.4: DD8.8@780.13,578.62 773.892,572.382 773.892,569.358 C62.2@775.25,568 768.125,560.875 768.125,543.184 768.938,542.371 792.433,542.371 797.704,537.1 VT2.2@847.75,537.1 ; v1(787.75,726.318) v1(791.925,726.318) 813.946,726.318 v1(820.322,719.943) ; DD17.2@867.63,541.04 870.17,543.58 DD17.8@875.25,543.58 ; v1(885.168,557.103) v1(890.25,557.103) ; v1(929.11,519.003) 928.348,519.765 928.348,520.095 v1(931.802,523.55)
3V3b: C134.1 L19.1 L21.1 L22.1 L23.1 | length 80.6
  Top Layer w0.4: L19.1@895.25,648.5 L21.1@904.65,648.5 ; L21.1@905.25,648.5 L21.1@904.65,648.5 ; C134.1@915.25,643.5 915.25,643.489 917.426,643.489 917.934,643.997 917.934,654.246 917.68,654.5 ; L23.1@925.25,654.5 917.68,654.5 ; L21.1@904.65,648.5 904.65,646.147 904.396,631.576 904.904,631.068 905.513,631.068 906.021,631.576 906.021,642.777 912.422,649.178 912.422,653.928 912.994,654.5 L22.1@915.25,654.5 917.68,654.5
3V3LVDSA: C136.1 C139.2 C142.2 C145.2 C148.2 DD13.44 DD14.44 L22.2 | length 163.1
  Top Layer w0.4: DD13.44@897.75,581 898.935,582.185 ; v1(898.935,586.847) 898.935,582.185 ; v1(899.544,602.544) 898.808,601.807 898.905,586.846 898.935,582.185 ; C148.2@910.75,603.5 C145.2@910.75,611 C142.2@910.75,618.5 C139.2@910.75,626 912.956,628.206 912.956,634.209 915.25,636.504 C136.1@915.25,638.5 915.25,640.39 914.073,641.567 914.073,645.394 915.25,646.57 L22.2@915.25,648.5
  Bottom Layer w0.4: DD14.44@825.25,581.2 827.069,583.019 836.326,583.019 837.053,582.292 842.402,582.292 843.322,583.212 895.3,583.212 v1(898.935,586.847) ; v1(899.544,602.544) 909.794,602.544 C148.2@910.75,603.5
3V3LVDSD: C135.1 C138.2 C141.2 C144.2 C147.2 C150.2 C151.2 C152.2 C153.2 C154.2 C155.2 C156.2 C157.2 DD13.1 DD13.9 DD13.26 DD14.1 DD14.9 DD14.26 L21.2 R177.2 R179.2 | length 352.4
  Top Layer w0.4: R177.2@787.75,563 788.038,563 v1(788.038,561.675) ; v1(900.84,647.68) 900.84,643.41 C138.2@903.25,641 C141.2@903.25,633.5 C144.2@903.25,626 C147.2@903.25,618.5 C150.2@903.25,611 C151.2@903.25,603.5 C152.2@903.25,596 ; v1(903.913,650.753) 905.25,652.09 L21.2@905.25,654.5 ; R179.2@925.25,633.5 923.243,633.5 922.22,634.522 918.239,634.522 917.216,633.5 C135.1@915.25,633.5 915.25,634.014 922.032,640.796 925.249,640.796 925.833,640.212 925.833,636.91 927.122,635.621 927.122,629.296 927.561,628.858 927.561,626.483 927.078,626 C156.2@926.25,626 C157.2@926.25,618.5 C153.2@926.25,611 C154.2@926.25,603.5 C155.2@926.25,596 929.008,593.242 929.008,567.042 DD13.26@930.25,565.8
  Bottom Layer w0.4: v1(788.038,561.675) 790.925,561.675 DD14.1@795.25,566 796.222,565.028 805.996,565.028 806.504,565.536 806.504,566.675 806.784,566.954 808.206,566.954 809.222,565.938 809.222,564.926 809.73,564.418 813.668,564.418 DD14.9@815.25,566 821.277,559.973 851.723,559.973 DD14.26@857.75,566 862.684,561.066 863.016,561.066 DD13.1@867.75,565.8 869.108,564.442 886.392,564.442 DD13.9@887.75,565.8 888.725,564.825 905.742,564.825 906.377,565.46 906.377,566.044 907.19,566.857 910.822,566.857 911.355,566.323 911.355,564.52 911.914,563.961 928.411,563.961 DD13.26@930.25,565.8 ; v1(900.84,647.68) v1(903.913,650.753) ; C150.2@903.25,611 904.217,611.967 925.283,611.967 C153.2@926.25,611